# Altium PCB LA432.PcbDoc
Units mil, origin at the board's own origin, x right, y up, seen from the top; angles counter-clockwise.
Board outline 2100 x 800 mil, 2 copper layers (Top Layer, Bottom Layer); 53 components, 51 nets, 266 pads, 73 vias.
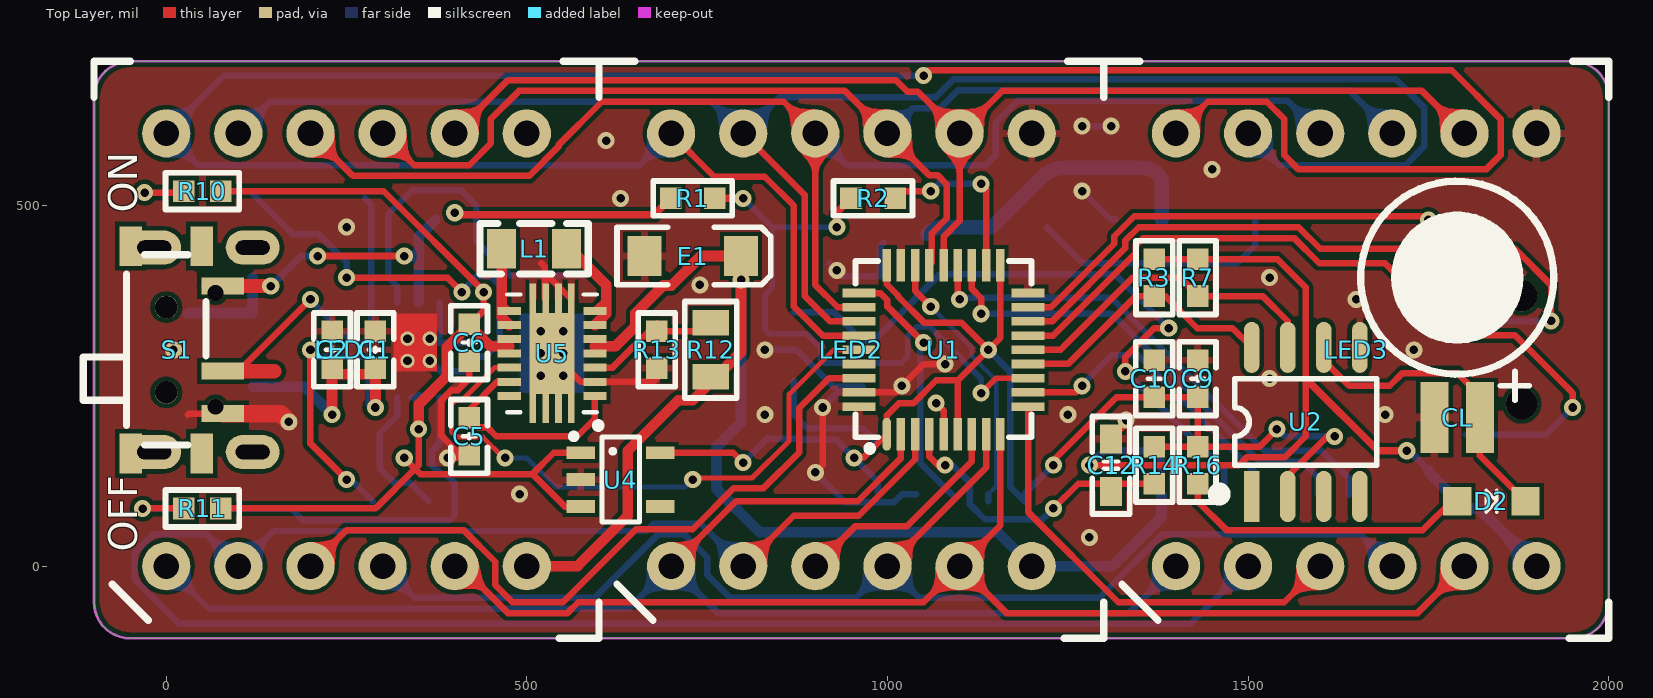
[diagram p0: Top Layer view]
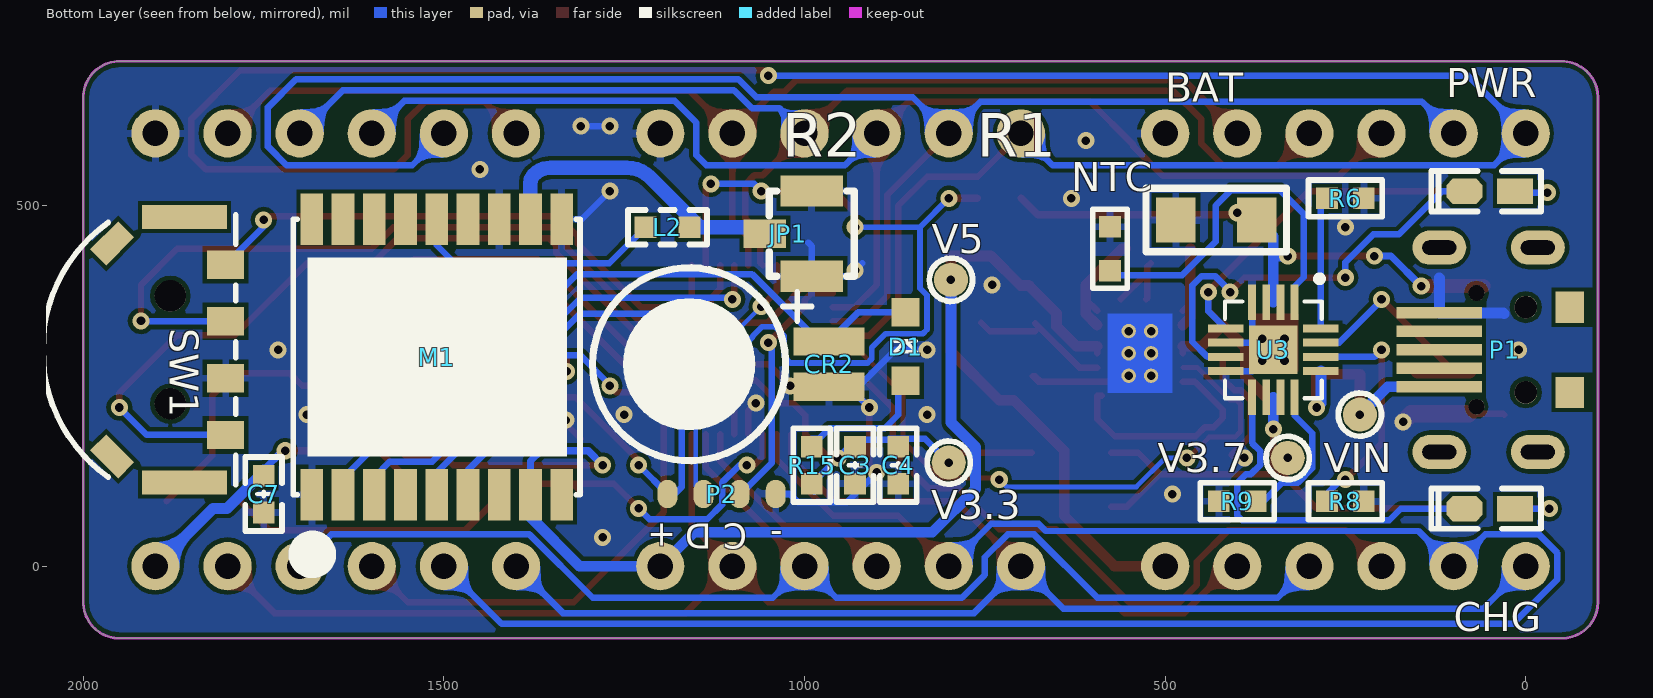
[diagram p1: Bottom Layer view, seen from below]
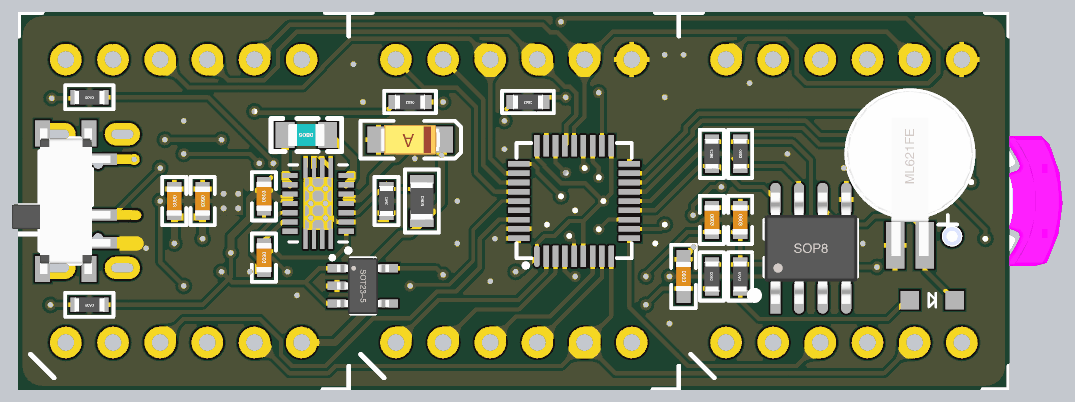
[diagram p2: 3D render of the assembled board from above, using the file's embedded part models]
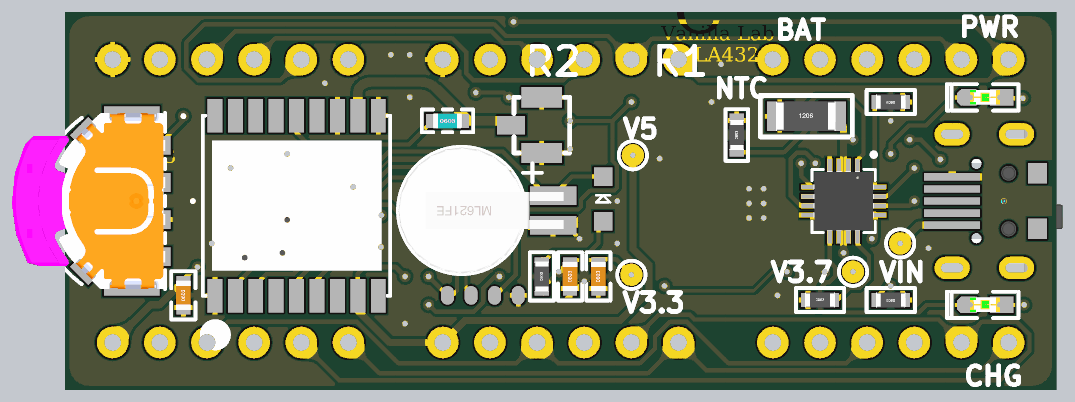
[diagram p3: 3D render of the assembled board from below, using the file's embedded part models]

## Layer stack, top to bottom
Top Solder: solder mask 0.4, Solder Resist, Dk 3.5
Top Layer: signal copper 1.4
Dielectric1: dielectric 12.6, FR-4, Dk 4.8
Bottom Layer: signal copper 1.4
Bottom Solder: solder mask 0.4, Solder Resist, Dk 3.5

## Board outline
-100,-50 ccw(c-50,-50) -50,-100 1950,-100 ccw(c1950,-50) 2000,-50 2000,650 ccw(c1950,650) 1950,700 -50,700 ccw(c-50,650) -100,650

## Design rules (kind name [scope] priority, off if disabled: settings)
Clearance [All] p1: gap=6
HoleSize [All] p1: absolutevalues=TRUE maxlimit=100 minlimit=11.81 maxpercent=80.000 minpercent=20.000
PolygonConnect PolygonConnect_2 [(InNet('GND') AND InComponentClass('All Components')) vs IsNamedPolygon('Top Layer-No Net')] p1: connectstyle=Relief reliefconductorwidth=10 reliefentries=4 polygonreliefangle="90 Angle" airgapwidth=6
PolygonConnect PolygonConnect_1 [InNet('GND') vs IsNamedPolygon('Top Layer-No Net')] p2: connectstyle=Direct reliefconductorwidth=10 reliefentries=4 polygonreliefangle="90 Angle" airgapwidth=10
PolygonConnect [All] p3: connectstyle=Relief reliefconductorwidth=10 reliefentries=4 polygonreliefangle="90 Angle" airgapwidth=6
RoutingVias [All] p1: holewidth=11.81 width=23.62 viastyle="Through Hole" minholewidth=11.81 minwidth=23.62 maxholewidth=28 maxwidth=50
SilkToSolderMaskClearance SilkscreenOverComponentPads [IsPad] p1: minsilkscreentomaskgap=10 clearancetoexposedcopper=TRUE
SolderMaskExpansion [All] p1: expansion=4
UnpouredPolygon [All] p1: allowunpoured=FALSE
Width [All] p1: maxlimit=30 minlimit=6 preferedwidth=9
27 further rules are at their usual default settings.

## Classes and differential pairs
component class LA432: BAT C1 C2 C3 C4 C5 C6 C7 C9 C10 C12 CL CR2 D1 D2 E1 JP1 L1 L2 LED1 LED2 LED3 M1 NTC P1 P2 R1 R2 R3 R6 R7 R8 R9 R10 R11 R12 R13 R14 R15 R16 S1 SW1 U1 U2 U3 U4 U5
net class "GPS uart signal": GPS_RX GPS_TX

## Components (designator, comment, footprint, x,y, rotation, side; value= is the part's Value field where it differs from the comment)
BAT "" "R 1206_L" 430,480 r180 bottom
C1 "0.1uf" "C 0603_L" 290,300 r270 top
C2 "10uf" "C 0603_L" 230,300 r270 top
C3 "0.1uf" "C 0603_L" 930,140 r90 bottom
C4 "10uf" "C 0603_L" 870,140 r90 bottom
C5 "0.1uf" "C 0603_L" 420,180 r270 top
C6 "22uf" "C 0603_L" 420,310 r90 top
C7 "10uf" "C 0603_L" 1750,100 r90 bottom
C9 "0.1uf" "C 0603_L" 1430,260 r270 top
C10 "10uf" "C 0603_L" 1370,260 r270 top
C12 "1uf" "C 0603_M" 1310,140 r270 top
CHG "红色" "LED 0603R" 50,80 r0 bottom (schematic designator LED5)
CL "1220" ML621FE 1790,400 r90 top (schematic designator CR1)
CR2 "1220" ML621FE 1160,280 r0 bottom
D1 "1N4148" SOD-323 860,257.17 r90 bottom
D2 "1N4148" SOD-323 1790,90 r0 top
E1 "33uF/10V" "CD A(3216)" 730,430 r180 top
JP1 "IPEX" IPEX 990,520 r270 bottom
L1 "1uH" "L 0805" 510,440 r180 top
L2 "4.7nh" "L 0603_L" 1190,470 r180 bottom
LED1 "HPDL1414" HPDL1414 0,0 r0 top
LED2 "HPDL1414" HPDL1414 700,0 r0 top
LED3 "HPDL1414" HPDL1414 1400,0 r0 top
M1 "GP-02" GP-02 1510,290 r90 bottom
NTC "10k_NTC" "R 0603_L"#1 576.5,440 r90 bottom (schematic designator R4)
P1 "microUSB" microUSB 110,300 r90 bottom
P2 "download_stm32" download_round_1.27_stm32 1040,100 r0 bottom
PWR "绿色" "LED 0603G" 50,520 r0 bottom (schematic designator LED4)
R1 "30K" "R 0603_L"#1 730,510 r180 top
R2 "30K" "R 0603_L"#1 980,510 r180 top
R3 "4k7" "R 0603_L"#2 1370,400.09 r90 top
R6 "1.13k" "R 0603_L"#2 250,510 r0 bottom
R7 "4k7" "R 0603_L"#2 1430,400.09 r270 top
R8 "46.4k" "R 0603_L"#2 250,90 r0 bottom
R9 "1.5k" "R 0603_L"#2 400,90 r180 bottom
R10 "1K" "R 0603_L"#2 50,520 r180 top
R11 "1K" "R 0603_L"#2 50,80 r180 top
R12 "1.62m" "R 0805_L" 755,300 r270 top
R13 "180k" "R 0603_L"#2 680,300 r90 top
R14 "10K" "R 0603_L"#2 1370,140 r90 top
R15 "120" "R 0603_L"#2 990,140 r90 bottom
R16 "120" "R 0603_L"#2 1430,140 r90 top
S1 "SS-12F23" MSK-12C01-07 0,300 r270 top
SW1 "SLLB5" SLLB520100 1840,300 r90 bottom
U1 "STM32F103T8" "VFQFN36 - 6*6" 1077.74,300 r0 top
U2 "DS3231M+" SOP8_N 1580,200 r90 top
U3 "BQ24075" VQFN16 350,300 r270 bottom
U4 "TLV70033" SOT23-5L 630,120 r270 top
U5 "TPS63020" VSON14(DSJ) 535,295 r180 top
V3.3 "V3.3" "TEST 1.2" 800,143.56 r90 bottom (schematic designator TP2)
V3.7 "V3.7" "TEST 1.2" 330,150 r90 bottom (schematic designator TP4)
V5 "V5" "TEST 1.2" 796.93,397.07 r90 bottom (schematic designator TP3)
VIN "VIN" "TEST 1.2" 230,210.12 r180 bottom (schematic designator TP1)

## Footprints (in the part's own frame and the unit in brackets; to place one, negate y for a bottom-side part, rotate by r counter-clockwise, add the part's x,y. Pads: shape width x height; smd on the part's side, far side on the other; paste and mask are expansions set on the pad)
"C 0603_L" [mil] "无极性贴片电容"
  rect 30x30 smd: 1(-25.59,0) 2(25.59,0)
  silkscreen extent -51,-26 51,26, body extent -31,-16 31,16, height 32
"C 0603_M" [mil] "无极性贴片电容"
  rect 40x30 smd: 1(-36.5,0) 2(36.5,0)
  silkscreen extent -68,-26 68,26, body extent -31,-16 31,16, height 32
"CD A(3216)" [mm]
  rect 1.2x1.4 smd: 1(-1.7,0) 2(1.7,0)
  silkscreen extent -2.74,-1.02 2.67,1.02, body extent -1.6,-0.8 1.6,0.8, height 1.6
download_round_1.27_stm32 [mm]
  oval 0.7x1 smd: 1(0,0) 2(1.27,0) 3(2.54,0) 4(3.81,0)
GP-02 [mm]
  rect 1.8x0.8 smd: 1(-4.85,4.4) 2(-4.85,3.3) 3(-4.85,2.2) 4(-4.85,1.1) 5(-4.85,0) 6(-4.85,-1.1) 7(-4.85,-2.2) 8(-4.85,-3.3) 9(-4.85,-4.4) 10(4.85,-4.4) 11(4.85,-3.3) 12(4.85,-2.2) 13(4.85,-1.1) 14(4.85,0) 15(4.85,1.1) 16(4.85,2.2) 17(4.85,3.3) 18(4.85,4.4)
  silkscreen extent -7.29,-5.05 4.85,5.05
HPDL1414 [mm]
  round 1.7 hole 0.9: 1(0,0) 2(2.54,0) 3(5.08,0) 4(7.62,0) 5(10.16,0) 6(12.7,0) 7(12.7,15.24) 8(10.16,15.24) 9(7.62,15.24) 10(5.08,15.24) 11(2.54,15.24) 12(0,15.24)
  silkscreen extent -2.54,-2.54 15.24,17.78
IPEX [mm]
  rect 1x1.5 smd: 1(1.5,-1.65)
  rect 1.1x2.2 smd: 2(0,0) 3(3,0)
  silkscreen extent 0,-1.5 3,1.5
"L 0603_L" [mil] "小功率贴片电感"
  rect 30x30 smd: 1(-30.59,0) 2(30.59,0)
  silkscreen extent -55,-24 55,24, body extent -31,-16 31,16, height 31
"L 0805" [mil]
  rect 40x55 smd: 1(-45,0) 2(45,0)
  silkscreen extent -75,-35 75,35, body extent -39,-24 39,24, height 35
"LED 0603G" [mil]
  rect 50x35 smd: 1(-35,0.26)
  oct 50x35 smd: 2(35,0.26)
  silkscreen extent -71,-28 81,28, body extent -31,-16 31,16, height 24
"LED 0603R" [mil]
  rect 50x35 smd: 1(-35,0.26)
  oct 50x35 smd: 2(35,0.26)
  silkscreen extent -71,-28 81,28, body extent -31,-16 31,16, height 24
microUSB [mm]
  oval 1.2x1.9 hole 0.5 slot 1.2 at 90 deg: 0(-3.6,-3.22) 0(-3.6,0.25) 0(3.6,-3.22) 0(3.6,0.25)
  round 0.55 hole 0.55 unplated: 0(-2,-1.06) 0(2,-1.06)
  rect 1.1x1 smd: 0(-1.5,-4.35) 0(1.5,-4.35)
  rect 0.4x3 smd: 1(-1.3,0.254) 2(-0.65,0.254) 3(0,0.254) 4(0.65,0.254) 5(1.3,0.254)
ML621FE [mm]
  rect 2.5x1 smd: 1(-4.927,-0.8) 2(-4.927,0.8)
  silkscreen extent -4.32,-3.4 3.4,3.4, body extent -5.5,-3.4 3.4,3.4, height 2.45
MSK-12C01-07 [mm]
  rect 1.4x0.8 smd: 0(-3.65,-1.25) 0(-3.65,1.25) 0(3.65,-1.25) 0(3.65,1.25)
  rect 0.6x1.5 smd: 1(-2.25,1.996) 2(0.75,1.996) 3(2.25,1.996)
  round 0.8 hole 0.8 unplated: " "(-1.5,0) " "(1.5,0)
  silkscreen extent -3.35,-2.92 3.35,1.4, body extent -3.92,-2.9 3.92,2.4, height 1.5
"R 0603_L"#1 [mil] "1/10W贴片电阻"
  rect 30x30 smd: 1(-30.59,0) 2(30.59,0)
  silkscreen extent -55,-24 55,24, body extent -31,-16 31,16, height 16
"R 0603_L"#2 [mil] "1/10W贴片电阻"
  rect 30x30 smd: 1(-25.59,0) 2(25.59,0)
  silkscreen extent -51,-26 51,26, body extent -31,-16 32,16, height 16
"R 0805_L" [mil] "1/8W贴片电阻"
  rect 35x50 smd: 1(-37.4,0) 2(37.4,0)
  silkscreen extent -67,-36 67,36, body extent -39,-25 39,25, height 20
"R 1206_L" [mil] "1/4W贴片电阻"
  rect 55x62 smd: 1(-55.12,0) 2(57.09,0)
  silkscreen extent -96,-44 98,44, body extent -63,-31 63,31, height 22
SLLB520100 [mm]
  rect 0.85x3 smd: 0(-4.675,0.5) 0(4.675,0.5)
  rect 0.8x1.4 smd rot 135: 0(-3.75,3.05)
  round 1.1 hole 1.1 unplated: 0(-1.9,1) 0(1.9,1)
  rect 0.8x1.4 smd rot 45: 0(3.75,3.05)
  rect 1x1.3 smd: 1(-3,-0.95) 2(-1,-0.95) 3(1,-0.95) 4(3,-0.95)
  silkscreen extent -4.75,-1.3 4.75,7, body extent -4.75,-1.4 4.75,6.95, height 2.32
SOD-323 [mm]
  rect 1x1 smd: 1(0,0) 2(2.404,0)
  silkscreen extent 1.02,-0.38 1.4,0.38
SOP8_N [mm] "5"
  rect 1.8x0.55 smd: 1(-2.625,1.905)
  oval 1.8x0.55 smd: 2(-2.625,0.635) 3(-2.625,-0.635) 4(-2.625,-1.905) 5(2.625,-1.905) 6(2.625,-0.635) 7(2.625,0.635) 8(2.625,1.905)
  silkscreen extent -2.69,-2.5 1.52,3.2, body extent -3,-2.5 3,2.5, height 1.9
SOT23-5L [mm]
  rect 0.45x1 smd: 1(-0.95,-1.4) 2(0,-1.4) 3(0.95,-1.4) 4(0.95,1.4) 5(-0.95,1.4)
  silkscreen extent -1.6,-1.73 1.5,0.66, body extent -1.5,-1.4 1.5,1.4, height 1.15
"TEST 1.2" [mm]
  round 1.2 smd paste-1.2: 1(0,0)
  silkscreen extent -0.76,-0.76 0.76,0.76
"VFQFN36 - 6*6" [mm]
  oval 0.3x1.15 smd: 1(-2,-2.975)
  rect 0.3x1.15 smd: 2(-1.5,-2.975) 3(-1,-2.975) 4(-0.5,-2.975) 5(0,-2.975) 6(0.5,-2.975) 7(1,-2.975) 8(1.5,-2.975) 9(2,-2.975) 19(2,2.975) 20(1.5,2.975) 21(1,2.975) 22(0.5,2.975) 23(0,2.975) 24(-0.5,2.975) 25(-1,2.975) 26(-1.5,2.975) 27(-2,2.975)
  rect 1.15x0.3 smd: 10(2.975,-2) 11(2.975,-1.5) 12(2.975,-1) 13(2.975,-0.5) 14(2.975,0) 15(2.975,0.5) 16(2.975,1) 17(2.975,1.5) 18(2.975,2) 28(-2.975,2) 29(-2.975,1.5) 30(-2.975,1) 31(-2.975,0.5) 32(-2.975,0) 33(-2.975,-0.5) 34(-2.975,-1) 35(-2.975,-1.5) 36(-2.975,-2)
  silkscreen extent -3.1,-3.57 3.1,3.13
VQFN16 [mm]
  rect 1.25x0.28 smd paste-0.14: 1(-1.675,0.75) 2(-1.675,0.25) 3(-1.675,-0.25) 4(-1.675,-0.75) 9(1.675,-0.75) 10(1.675,-0.25) 11(1.675,0.25) 12(1.675,0.75)
  rect 0.28x1.25 smd paste-0.14: 5(-0.75,-1.675) 6(-0.25,-1.675) 7(0.25,-1.675) 8(0.75,-1.675) 13(0.75,1.675) 14(0.25,1.675) 15(-0.25,1.675) 16(-0.75,1.675)
  rect 1.7x1.7 smd paste-0.837 mask-0.838: 17(0,0)
  round 0.508 / inner round 1.524 / far side round 0.508 hole 0.3: V(-0.394,-0.394) V(-0.394,0.394) V(0.394,-0.394) V(0.394,0.394)
  silkscreen extent -2.6,-1.7 1.7,1.72, body extent -1.63,-1.63 1.63,1.63, height 1
VSON14(DSJ) [mm]
  rect 0.82x0.28 smd paste-0.397: 1(-1.51,1.5) 2(-1.51,1) 3(-1.51,0.5) 4(-1.51,0) 5(-1.51,-0.5) 6(-1.51,-1) 7(-1.51,-1.5) 8(1.51,-1.5) 9(1.51,-1) 10(1.51,-0.5) 11(1.51,0) 12(1.51,0.5) 13(1.51,1) 14(1.51,1.5)
  rect 0.23x1.1 smd: 15(-0.675,1.905) 15(-0.675,-1.905) 15(-0.225,1.905) 15(-0.225,-1.905) 15(0.225,1.905) 15(0.225,-1.905) 15(0.675,1.905) 15(0.675,-1.905)
  round 0.508 / inner round 1.524 / far side round 0.508 hole 0.3: 15(-0.394,0.787) 15(-0.394,0) 15(-0.394,-0.787) 15(0.394,0.787) 15(0.394,0) 15(0.394,-0.787)
  rect 1.58x2.85 smd paste-1.412 mask-1.41: 15(0,0)
  silkscreen extent -1.72,-2.07 1.58,2.64

## Part data
BAT NTC R1 R2 R3 R6 R7 R8 R9 R10 R11 R12 R13 R14 R15 R16: library part R, "贴片电阻"
C1 C2 C3 C4 C5 C6 C7 C9 C10 C12: library part C, "无极性贴片电容"
CHG PWR: library part LED-SMD, "贴片LED"
CL CR2: library part CR-3V, "微型电池"
D1 D2: "高速开关二极管"
E1: library part C-CD, "贴片钽电容"
JP1: "ipex母座"
L1: library part L-CD, "贴片功率电感"
L2: library part L, "小功率贴片电感"
LED1 LED2 LED3: library part HPDL14
M1: library part G, "GPS模块"
P1: library part microU
S1: library part SSW-1P, "1路波动开关"
SW1: "操作杆和按动操作型开关"
U3: "1.5A USB友好型锂离子电池充电器和电源路径管理IC"
U4: "200-mA, Low-I Q , Low-Dropout Regulator for Portable Devices"
U5: "高效率单电感Buck-Boost电压转换器"
V3.3 V3.7 V5 VIN: library part TEST, "测试点"

## Via types
v1: diameter 23.62, hole 11.81, Top Layer to Bottom Layer, tented both sides, 73 vias

## Nets (pads, with @x,y where several pads share a name; then routed paths per layer and width w, separated by ;. In a path a pad name is that pad's centre, name@x,y a point inside that pad or via, vN(x,y) a via of type N, cw(c..) or ccw(c..) an arc to the next point about the centre after c; other vN are vias at no path point)
5V_EN: U1.32 U5.12 | length 852.4
  Top Layer w7: v1(470,150) 467.84,150 438.93,178.91 403.24,178.91 395.5,186.66 395.5,224.53 401.06,230.09 410.09,230.09 455.31,275.31 U5.12 ; v1(730,120) 732.25,122.25 812.25,122.25 863.69,173.69 863.69,238.35 925.34,300 U1.32
  Bottom Layer w7: v1(470,150) 500,150 540,110 720,110 v1(730,120)
A0: LED1.5 LED2.5 LED3.5 U1.9 | length 1714
  Top Layer w9: LED1.5 408.79,0 473.79,-65 556.21,-65 571.21,-50 1050,-50 LED2.5 ; U1.9 1156.48,56.48 LED2.5 ; LED3.5 1735,-65 1165,-65 LED2.5
A1: LED1.4 LED2.4 LED3.4 U1.8 | length 1835.9
  Top Layer w9: LED2.4 1136.8,136.8 U1.8
  Bottom Layer w9: LED1.4 343.96,-43.96 593.86,-43.96 681.79,43.96 718.21,43.96 750,12.18 750,-12.18 781.79,-43.96 956.04,-43.96 LED2.4 1043.96,-43.96 1293.57,-43.96 1381.5,43.96 1656.04,43.96 LED3.4
BAT_CHK: R1.1 R2.2 U1.12 | length 869.5
  Top Layer w8: v1(1130,240) 1150.63,260.63 U1.12
  Top Layer w10: R1.1 v1(800,510) ; v1(930,470) 930,490.59 R2.2
  Bottom Layer w8: v1(800,510) 840,470 ; v1(930,470) 840,470 ; v1(1130,240) 1130,260 1101.81,288.19 1101.81,289.03 1089.03,301.81 1088.19,301.81 1071.81,318.19 1071.81,319.03 1059.03,331.81 1040.97,331.81 1028.19,319.03 1028.19,290.62 1019.38,281.81 912.67,281.81 906.81,287.67 906.81,303.19 887.87,322.13 836.17,322.13 830.31,327.98 830.31,375.64 840,385.32 840,470
BAT_LEAK: R2.1 U1.20 | length 243.4
  Top Layer w9: R2.1 1020.59,520 v1(1060,520) ; v1(1130,530) 1136.8,523.2 U1.20
  Bottom Layer w9: v1(1060,520) 1070,530 v1(1130,530)
CCW: SW1.1 U1.15 | length 1089.6
  Top Layer w9: U1.15 1229.69,319.68 1344.5,434.5 1344.5,445.03 1354.47,455 1563.79,455 1598.79,420 1690,420 1790,320 1870,320 1950,240 v1(1950,220)
  Bottom Layer w9: SW1.1 1911.89,181.89 v1(1950,220)
CLK: P2.2 U1.28 | length 354.7
  Top Layer w9: U1.28 990.05,378.74 1000,368.79 1000,360 v1(1050,310)
  Bottom Layer w9: v1(1050,310) 1045.19,305.19 1045.19,286.73 1045.5,286.42 1045.5,273.58 1045.19,273.27 1045.19,143.26 1088.45,100 P2.2
CW: SW1.4 U1.17 | length 699.2
  Top Layer w9: U1.17 1226.63,359.05 1314.5,446.93 1314.5,457.46 1342.05,485 1745,485 v1(1750,480)
  Bottom Layer w9: v1(1750,480) 1750,470.71 SW1.4
D0: LED1.8 LED2.8 LED3.8 U1.23 | length 1702.2
  Top Layer w9: LED1.8 473.96,673.96 1011.41,673.96 1027.69,657.69 1042.31,657.69 LED2.8 ; U1.23 1077.74,456.53 1100,478.79 LED2.8 ; LED3.8 1741.04,658.96 1158.96,658.96 LED2.8
D1: LED1.9 LED2.9 LED3.9 U1.24 | length 1788.7
  Top Layer w9: LED1.9 343.96,556.04 420,556.04 450,586.04 450,620 488.96,658.96 941.04,658.96 LED2.9 1057.69,542.31 1069.24,542.31 1082.31,529.24 1082.31,482.31 1061.34,461.34 1061.34,420.41 U1.24
  Bottom Layer w9: LED2.9 1035,635 1072.82,635 1097.82,660 1640,660 LED3.9
D2: LED1.10 LED2.10 LED3.10 U1.29 | length 1870
  Top Layer w9: LED1.10 258.96,541.04 503.21,541.04 543.96,581.79 543.96,583.96 603.96,643.96 856.04,643.96 LED2.10 900,390 930.94,359.05 U1.29
  Bottom Layer w9: LED2.10 943.96,556.04 1136.04,556.04 1150,570 1150,615 1180,645 1555,645 LED3.10
D3: LED1.11 LED2.11 LED3.11 U1.30 | length 2405.3
  Top Layer w9: LED2.11 885,515 885,375 920.63,339.37 U1.30
  Bottom Layer w9: LED1.11 143.96,643.96 756.04,643.96 LED2.11 850,650 1066.61,650 1091.61,675 1705,675 1743.96,636.04 1743.96,581.79 1718.21,556.04 1543.96,556.04 LED3.11
D4: LED1.2 LED2.2 LED3.2 U1.3 | length 2895.1
  Top Layer w9: LED2.2 870,70 960,70 1038.37,148.37 U1.3
  Bottom Layer w9: LED2.2 741.04,58.96 675.58,58.96 665.36,48.75 148.75,48.75 LED1.2 56.04,43.96 -18.21,43.96 -43.96,18.21 -43.96,-18.21 17.82,-80 1420,-80 LED3.2
D5: LED1.1 LED2.1 LED3.1 U1.2 | length 1916.4
  Top Layer w9: LED2.1 790,90 958.79,90 1018.69,149.9 U1.2
  Bottom Layer w9: LED1.1 58.96,-58.96 641.04,-58.96 LED2.1 765,-65 1335,-65 LED3.1
D6: LED1.12 LED2.12 LED3.12 U1.31 | length 3704.1
  Top Layer w9: LED2.12 760,540 830,540 870,500 870,360 910.31,319.68 U1.31 ; v1(1050,680) 1057.53,687.53 1782.47,687.53 1850,620 1850,570 1830,550 1570,550 1550,570 1550,620 1526.04,643.96 1443.96,643.96 LED3.12
  Bottom Layer w9: LED2.12 656.04,556.04 43.96,556.04 LED1.12 80,680 v1(1050,680)
DIO: P2.3 U1.25 | length 378.2
  Top Layer w9: U1.25 1038.37,381.63 v1(1060,360)
  Bottom Layer w6: v1(1060,360) 1116.81,303.19 1116.81,291.57 1150.81,257.57 1150.81,110.81 P2.3
  Bottom Layer w9: P2.3@1140,90 P2.3
GND: BAT.1 C1.1 C2.1 C3.1 C4.1 C5.2 C6.1 C7.1 C9.1 C10.1 C12.1 CL.2 CR2.2 E1.2 JP1.2 JP1.3 LED1.7 LED2.7 LED3.7 M1.1 M1.10 M1.12 NTC.2 P1.5 P2.1 R6.1 R8.1 R9.1 R13.1 S1.3 SW1.2 U1.5 U1.18 U1.26 U1.35 U1.36 U2.5 U3.4 U3.6 U3.8 U3.17 U3.V U4.2 U5.2 U5.15 | length 1933.4
  Top Layer w9: 30,210 31.42,211.42 S1.3 ; v1(390.23,150) 403.53,150 407.94,154.41 391.18,171.18 381.5,180.86 381.5,230.33 395.26,244.09 404.29,244.09 420,259.8 C6.1 ; 520,420 524.5,415.5 524.5,407.07 ; U5.15@526.14,370 524.5,371.64 524.5,407.07 ; U5.15@535,295 574.37,255.63 U5.2 640,255.63 ; U5.15@561.57,370 524.5,407.07 ; v1(900,130) 910,140 v1(910,220) ; U1.35 1010.94,240.95 1050,280 v1(1080,280) ; v1(1067.5,225.95) 1077.74,215.7 U1.5 ; C12.1 1331,197.5 v1(1331,202.5) ; 640,255.63 675.63,255.63 683.5,263.5 680,263.5 672.13,255.63 640,255.63
  Top Layer w10: U3.V@334.5,284.5 U3.V@334.5,315.5 ; U3.V@365.5,284.5 U3.V@365.5,315.5
  Top Layer w24: S1.3 158.58,211.42 v1(170,200)
  Bottom Layer w9: U3.17 365.5,284.5 379.53,270.47 U3.8 ; U3.4 379.53,319.37 370,309.84 U3.6 ; v1(830,300) 873.97,300 925.47,248.5 CR2.2@938.5,248.5 ; v1(900,130) 941.5,88.5 1008.94,88.5 1020.44,100 P2.1 ; v1(910,220) CR2.2@938.5,248.5 ; 920,420 938.11,401.89 JP1.3 990,443.76 995,448.76 ; CR2.2 CR2.2@938.5,248.5 ; v1(1270,520) 1309.06,480.94 1316.77,480.94 ; v1(1270,610) v1(1310,610)
  Bottom Layer w15: 30,350 31.18,351.18 P1.5 119.57,351.62 119.57,399.08 120,399.51 120,400
  other v1: 1280,40 490,100 830,210 1250,210 1690,210 1020,250 1530,260 10,300 1730,300 1650,370 740,390 1530,400 930,410 250,470 630,510 1450,550 610,590
GPS_RX: M1.3 U1.21 | length 657.3
  Top Layer w9: U1.21 1117.11,384.44 1130,371.55 v1(1130,350)
  Bottom Layer w9: v1(1130,350) 1311.21,350 1516.21,145 1575,145 1596.61,123.39 M1.3
GPS_SW: M1.5 U1.11 | length 437.7
  Top Layer w9: U1.11 1260.94,240.95 v1(1270,250)
  Bottom Layer w9: v1@1268.45,250 v1@1270,251.55 ; v1(1270,250) v1@1270,251.55 ; M1.5 1510,130 1347.69,292.31 1310.76,292.31 v1@1270,251.55
GPS_TX: M1.2 U1.22 | length 715.6
  Top Layer w9: U1.22 1097.43,372.57 v1(1100,370)
  Bottom Layer w9: v1(1100,370) 1102.31,372.31 1310.12,372.31 1522.43,160 1601.7,160 1639.92,121.78 M1.2
NetC5_1: C5.1 U5.1 U5.13 | length 316
  Top Layer w9: U5.13 458.73,255.63 420,216.89 C5.1 432.68,192.91 444.73,192.91 457.64,180 570,180 594.45,204.45 U5.1 U5.1@588,235.94
NetCR1_1: CL.1 D2.2 U2.6 | length 442.1
  Top Layer w9: U2.6 1605,285 1640,250 1696.42,250 1714.11,267.69 1790,267.69 1821.5,236.19 CL.1 1821.5,153.15 D2.2
NetCR2_1: CR2.1 D1.2 M1.6 | length 930.9
  Top Layer w9: v1(1330,270) 1330,290.45 1369.55,330 v1(1390,330)
  Bottom Layer w9: D1.2@870,351.81 925.71,351.81 CR2.1 979.42,311.5 1072.92,405 1315,405 v1(1390,330) ; v1(1330,270) 1466.69,133.31 M1.6
NetD1_1: D1.1 R15.2 | length 181
  Bottom Layer w9: D1.1@870,257.17 870,210 888.91,191.09 965.26,191.09 979.85,176.5 R15.2@990,176.5
NetD2_1: D2.1 R16.1 | length 417.5
  Top Layer w9: R16.1 1430,90 1470,50 1742.31,50 1782.31,90 D2.1
NetJP1_1: JP1.1 L2.2 M1.11 | length 420.6
  Bottom Layer w20: JP1.1 cw(c1076.82,439.08) 1076.82,470 1145,470 1213.94,538.94 cw(c1246.56,506.32) 1246.56,552.45 1351.56,552.45 cw(c1351.56,518.49) 1375.57,542.5 cw(c1364.69,531.62) 1380.08,531.62 M1.11
NetL1_1: L1.1 U5.6 U5.7 | length 160.1
  Top Layer w9: U5.7 594.45,354.41 610,369.96
  Top Layer w15: L1.1 560,440 610,390 610,369.96 610,349.92 U5.6
NetL1_2: L1.2 U5.8 U5.9 | length 124.5
  Top Layer w9: 465.31,364.3 U5.8
  Top Layer w15: L1.2 465.31,439.69 465.31,364.3 465.31,344.61 U5.9
NetL2_1: L2.1 M1.14 | length 356.5
  Bottom Layer w9: L2.1 1270.59,420 1485.14,420 1510,444.86 M1.14
NetLED4_1: PWR.1 R10.2 | length 90.1
  Top Layer w9: v1(-30,518) 11.5,518 R10.2@13.5,520
  Bottom Layer w9: v1(-30,518) 13.26,518 PWR.1
NetLED4_2: PWR.2 U3.7 | length 596.5
  Top Layer w9: v1(250,400) 390,400 v1(410,380)
  Bottom Layer w9: PWR.2 116.26,519.74 176,460 211.55,460 250,421.55 v1(250,400) ; v1(410,380) 410,381.55 430.76,402.31 449.24,402.31 462.31,389.24 462.31,311.24 441.22,290.16 U3.7
NetLED5_1: CHG.1 R11.2 | length 94.1
  Top Layer w9: v1(-32.74,79.74) -32.48,80 R11.2@13.5,80
  Bottom Layer w9: v1(-32.74,79.74) CHG.1
NetLED5_2: CHG.2 U3.9 | length 509.8
  Bottom Layer w9: CHG.2 173.16,79.74 189.15,63.75 393.02,63.75 399.91,70.65 399.91,115.5 387.72,127.69 380.99,127.69 367.92,140.76 367.92,159.24 379.53,170.85 U3.9
NetR4_1: NTC.1 U3.1 | length 488.3
  Bottom Layer w9: U3.1 320.47,387.98 307.69,400.76 307.69,488.12 341.06,521.5 408.5,521.5 430,500 430,450 476.5,403.5 NTC.1@576.5,403.5
NetR6_2: R6.2 U3.16 | length 184
  Bottom Layer w9: R6.2 284.05,501.54 U3.16
NetR8_2: R8.2 U3.14 | length 347
  Top Layer w9: v1(200,300) 200,170 v1(250,120)
  Bottom Layer w9: v1(200,300) 209.84,290.16 U3.14 ; v1(250,120) 250,126.5 R8.2@286.5,90
NetR9_2: R9.2 U3.12 | length 195
  Bottom Layer w9: U3.12 320.47,208.72 295.88,184.12 295.88,135.87 315.87,115.88 337.62,115.88 R9.2@363.5,90
NetR12_1: R12.1 R13.2 U5.3 | length 190.8
  Top Layer w9: U5.3 618.82,275.32 R13.2@680,336.5 ; R13.2 743.18,325.59 R12.1
NetS1_2: S1.2 U3.15 | length 344
  Top Layer w9: S1.2 100.47,270.47 v1(200,370)
  Top Layer w20: S1.2 139.53,270.47 140,270 150,270
  Bottom Layer w9: v1(200,370) 200,368.62 258.78,309.84 U3.15
PUSH: SW1.3 U1.16 | length 986.2
  Top Layer w9: U1.16 1228.16,339.37 1329.5,440.72 1329.5,451.24 1348.26,470 1570,470 1600,440 1870,440 1920,390 v1(1920,340)
  Bottom Layer w9: SW1.3 1919.37,339.37 v1(1920,340)
RST: C12.2 R14.1 U1.4 | length 432.7
  Top Layer w9: U1.4 1058.06,151.94 1070,140 v1(1080,140) ; v1(1230,80) 1264.41,114.41 C12.2@1320.91,114.41 ; C12.2 C12.2@1320.91,114.41 ; R14.1 C12.2@1320.91,114.41
  Bottom Layer w9: v1(1080,140) 1090.24,140 1114.28,115.96 1114.28,85.48 1134.79,64.96 1214.96,64.96 v1(1230,80)
SCL: R3.1 U1.13 U2.8 | length 378.6
  Top Layer w9: U1.13 1250.31,280.32 1344.5,374.5 R3.1 1385.15,374.5 1429.65,330 1478.35,330 U2.8
SDA: R7.2 U1.14 U2.7 | length 462.9
  Top Layer w9: U1.14 1240,300 1340.18,400.18 1405.54,400.18 1431.21,374.51 1520,374.51 1555,339.51 U2.7
VCC: C7.2 E1.1 LED1.6 LED2.6 LED3.6 M1.8 R3.2 R7.1 R12.2 U5.4 U5.5 V5.1 | length 3345.9
  Top Layer w9: U5.4 594.45,304.84 ; v1(1280,140) 1487.24,140 1497.94,150.71 1550.71,150.71 1580,180 1580,260 1580,386.5 1540.82,425.68 R3.2
  Top Layer w10: 1580,260 1680,160 v1(1720,160)
  Top Layer w15: LED1.6 570,0 640,70 640,160 710,230 730,230 796.93,296.93 v1(796.93,397.07) 796.93,423.86 800,426.93 E1.1 741.25,430 700.19,388.94 688.94,388.94 650.75,350.75 650.75,332.71 622.89,304.84 594.45,304.84
  Bottom Layer w10: v1(1280,140) 1300,160 1365.86,160 1380.08,145.78 M1.8 ; v1(1720,160) 1723.5,160 C7.2@1750,133.5
  Bottom Layer w15: v1(796.93,397.07) 796.93,199.13 762.88,165.08 762.88,107.12 823.04,46.96 1153.04,46.96 LED2.6 1312.08,0 1380.08,68 M1.8 ; C7.2@1750,133.5 1750,130.75 1800.75,80 1820,80 LED3.6 ; LED3.6@1874.04,0 ccw(c1811.35,0) 1855.68,44.32 ccw(c1900,88.65) LED3.6@1900,25.96
VCC3.3: C3.2 C4.2 C9.2 C10.2 P2.4 R14.2 R15.1 R16.2 U1.1 U1.6 U1.19 U1.27 U2.2 U4.5 V3.3.1 | length 2007.1
  Top Layer w9: U4.5 786.16,157.4 v1(800,143.56) ; v1(953.87,150) 966.13,150 U1.1 999,209 1015.94,225.95 1035.94,225.95 1067.69,257.69 1097.69,257.69 ; U1.27 999,391 1015,375 1015,373.45 1050.76,337.69 1102.31,337.69 v1(1140,300) ; U1.6 1097.43,257.43 1097.69,257.69 ; U1.19 1156.48,316.48 v1(1140,300) ; v1(1230,140) 1230,146.35 1318.06,234.41 C10.2 ; R14.2 R16.2 ; C10.2@1370.29,234.71 1370.58,234.41 C9.2 R16.2 ; v1(1540,190) 1515.71,165.71 1430.12,165.71 R16.2 ; U2.2 1555,125 1610,180 v1(1620,180) ; 1097.69,257.69 v1(1140,300)
  Bottom Layer w9: v1(800,143.56) 832.94,176.5 882.29,176.5 883.79,175 930,175 930,173.87 v1(953.87,150) 986.5,117.37 R15.1@986.5,103.5 ; v1(1140,300) 1170,270 1170,110 P2.4@1190,90 ; P2.4 v1(1230,140) ; v1(1540,190) 1550,180 v1(1620,180)
VCC_3.7: C6.2 R10.1 R11.1 U3.5 U3.10 U3.11 U4.1 U4.3 U5.10 U5.11 V3.7.1 | length 1532
  Top Layer w9: R11.1@86.5,80 290,80 345,135 ; R10.1@86.5,520 301.55,520 440,381.55 v1(440,380) 440,354 C6.2@420,334 ; v1(330,150) 345,135 ; v1(350,190) 350,140 345,135 ; U5.11 475.55,304.84 ; U4.3 552.78,82.6 507.69,127.69 ; U4.1 537.4,157.4 507.69,127.69 ; 345,135 352.31,127.69 507.69,127.69
  Top Layer w15: v1(350,190) 350,224.29 389,263.29 389,303 420,334 449.16,304.84 475.55,304.84
  Bottom Layer w9: U3.11 350,234.05 U3.10 ; U3.5 440,353.59 v1(440,380)
  Bottom Layer w15: v1(350,190) 350,234.05
VCC_BAT: BAT.2 R1.2 S1.1 U3.2 U3.3 | length 741
  Top Layer w10: v1(210,430) v1(330,430) ; v1(400,490) 402.81,487.19 676.6,487.19 R1.2
  Top Layer w19.68: S1.1@58.58,388.58 S1.1 144.46,388.58 v1(144.88,388.16)
  Bottom Layer w10: v1(144.88,388.16) 186.72,430 v1(210,430)
  Bottom Layer w15: v1(330,430) 348.5,430 ; 350,365.95 350,457.09 BAT.2
VCC_IN: C1.2 C2.2 P1.1 U3.13 VIN.1 | length 346.6
  Top Layer w9: C1.2@286,262 C1.2@290,266
  Top Layer w15: v1(230,210) 230,266 290,266 v1(290,220)
  Bottom Layer w15: P1.1 191.3,248.82 VIN.1 ; U3.13 284.05,225.95 v1(290,220)
WR1: LED1.3 U1.34 | length 1006.3
  Top Layer w9: LED1.3 250,50 412.18,50 456.04,6.14 456.04,-26.04 480,-50 550,-50 651.33,51.33 730.11,51.33 787.03,108.25 828.25,108.25 877.69,157.69 877.69,219.24 919.08,260.63 U1.34
WR2: LED2.3 U1.7 | length 314.7
  Top Layer w9: LED2.3 955,55 1026.55,55 1117.11,145.56 U1.7
WR3: LED3.3 U1.10 | length 623.8
  Top Layer w9: U1.10 1194.87,75.13 1320,-50 1550,-50 LED3.3
pads on no net: "S1. " M1.4 M1.7 M1.9 M1.13 M1.15 M1.16 M1.17 M1.18 P1.0 P1.2 P1.3 P1.4 S1.0 SW1.0 U1.33 U2.1 U2.3 U2.4 U4.4 U5.14

## Polygon pours and split planes (outlines as drawn)
GND on Top Layer "Top Layer-No Net" (solid, remove dead copper, pour order 2): -100,700 2000,700 2000,-100 -100,-100
GND on Bottom Layer "Top Layer-No Net" (solid, remove dead copper, pour order 4): -100,-100 -100,700 2000,700 2000,-100

## Keep-outs
Keep-Out Layer:
  the board outline again, w3.94

## Other copper
Top Layer:
  rectangle net GND: 315,270 375.24,350.59
Bottom Layer:
  rectangle net GND: 490,240 580,350

## Silkscreen, mask and mechanical layers (free items; w line width, h text height)
Top Overlay:
  text "ON" at -40,490 h40 r90
  text "OFF" at -40,20 h40 r90
Top Solder:
  lines w30: 70,210 150,210 ; 80,270 150,270 ; 80,390 143.04,390 144.88,388.16
Bottom Solder:
  text "C" at 730,265 h200
  text "Vanilla Lab" at 755,180 h60
  text "LA432" at 685,135 h60
  text "2019.9.3" at 1970,-80 h60
Drill Drawing:
  text ".Legend" at 2350,200 h60

## Text inside footprints (layer, text, board x,y; h text height)
P2: Bottom Overlay "D" at 1128.58,70.47 h60 r180; Bottom Overlay "C" at 1079.37,70.47 h60 r180; Bottom Overlay "-" at 1030.16,70.47 h60 r180; Bottom Overlay "+" at 1177.8,70.47 h60 r180